# Altium PCB MU_MP_39_V1_ASMB.PcbDoc (part 4 of 15) (continued)
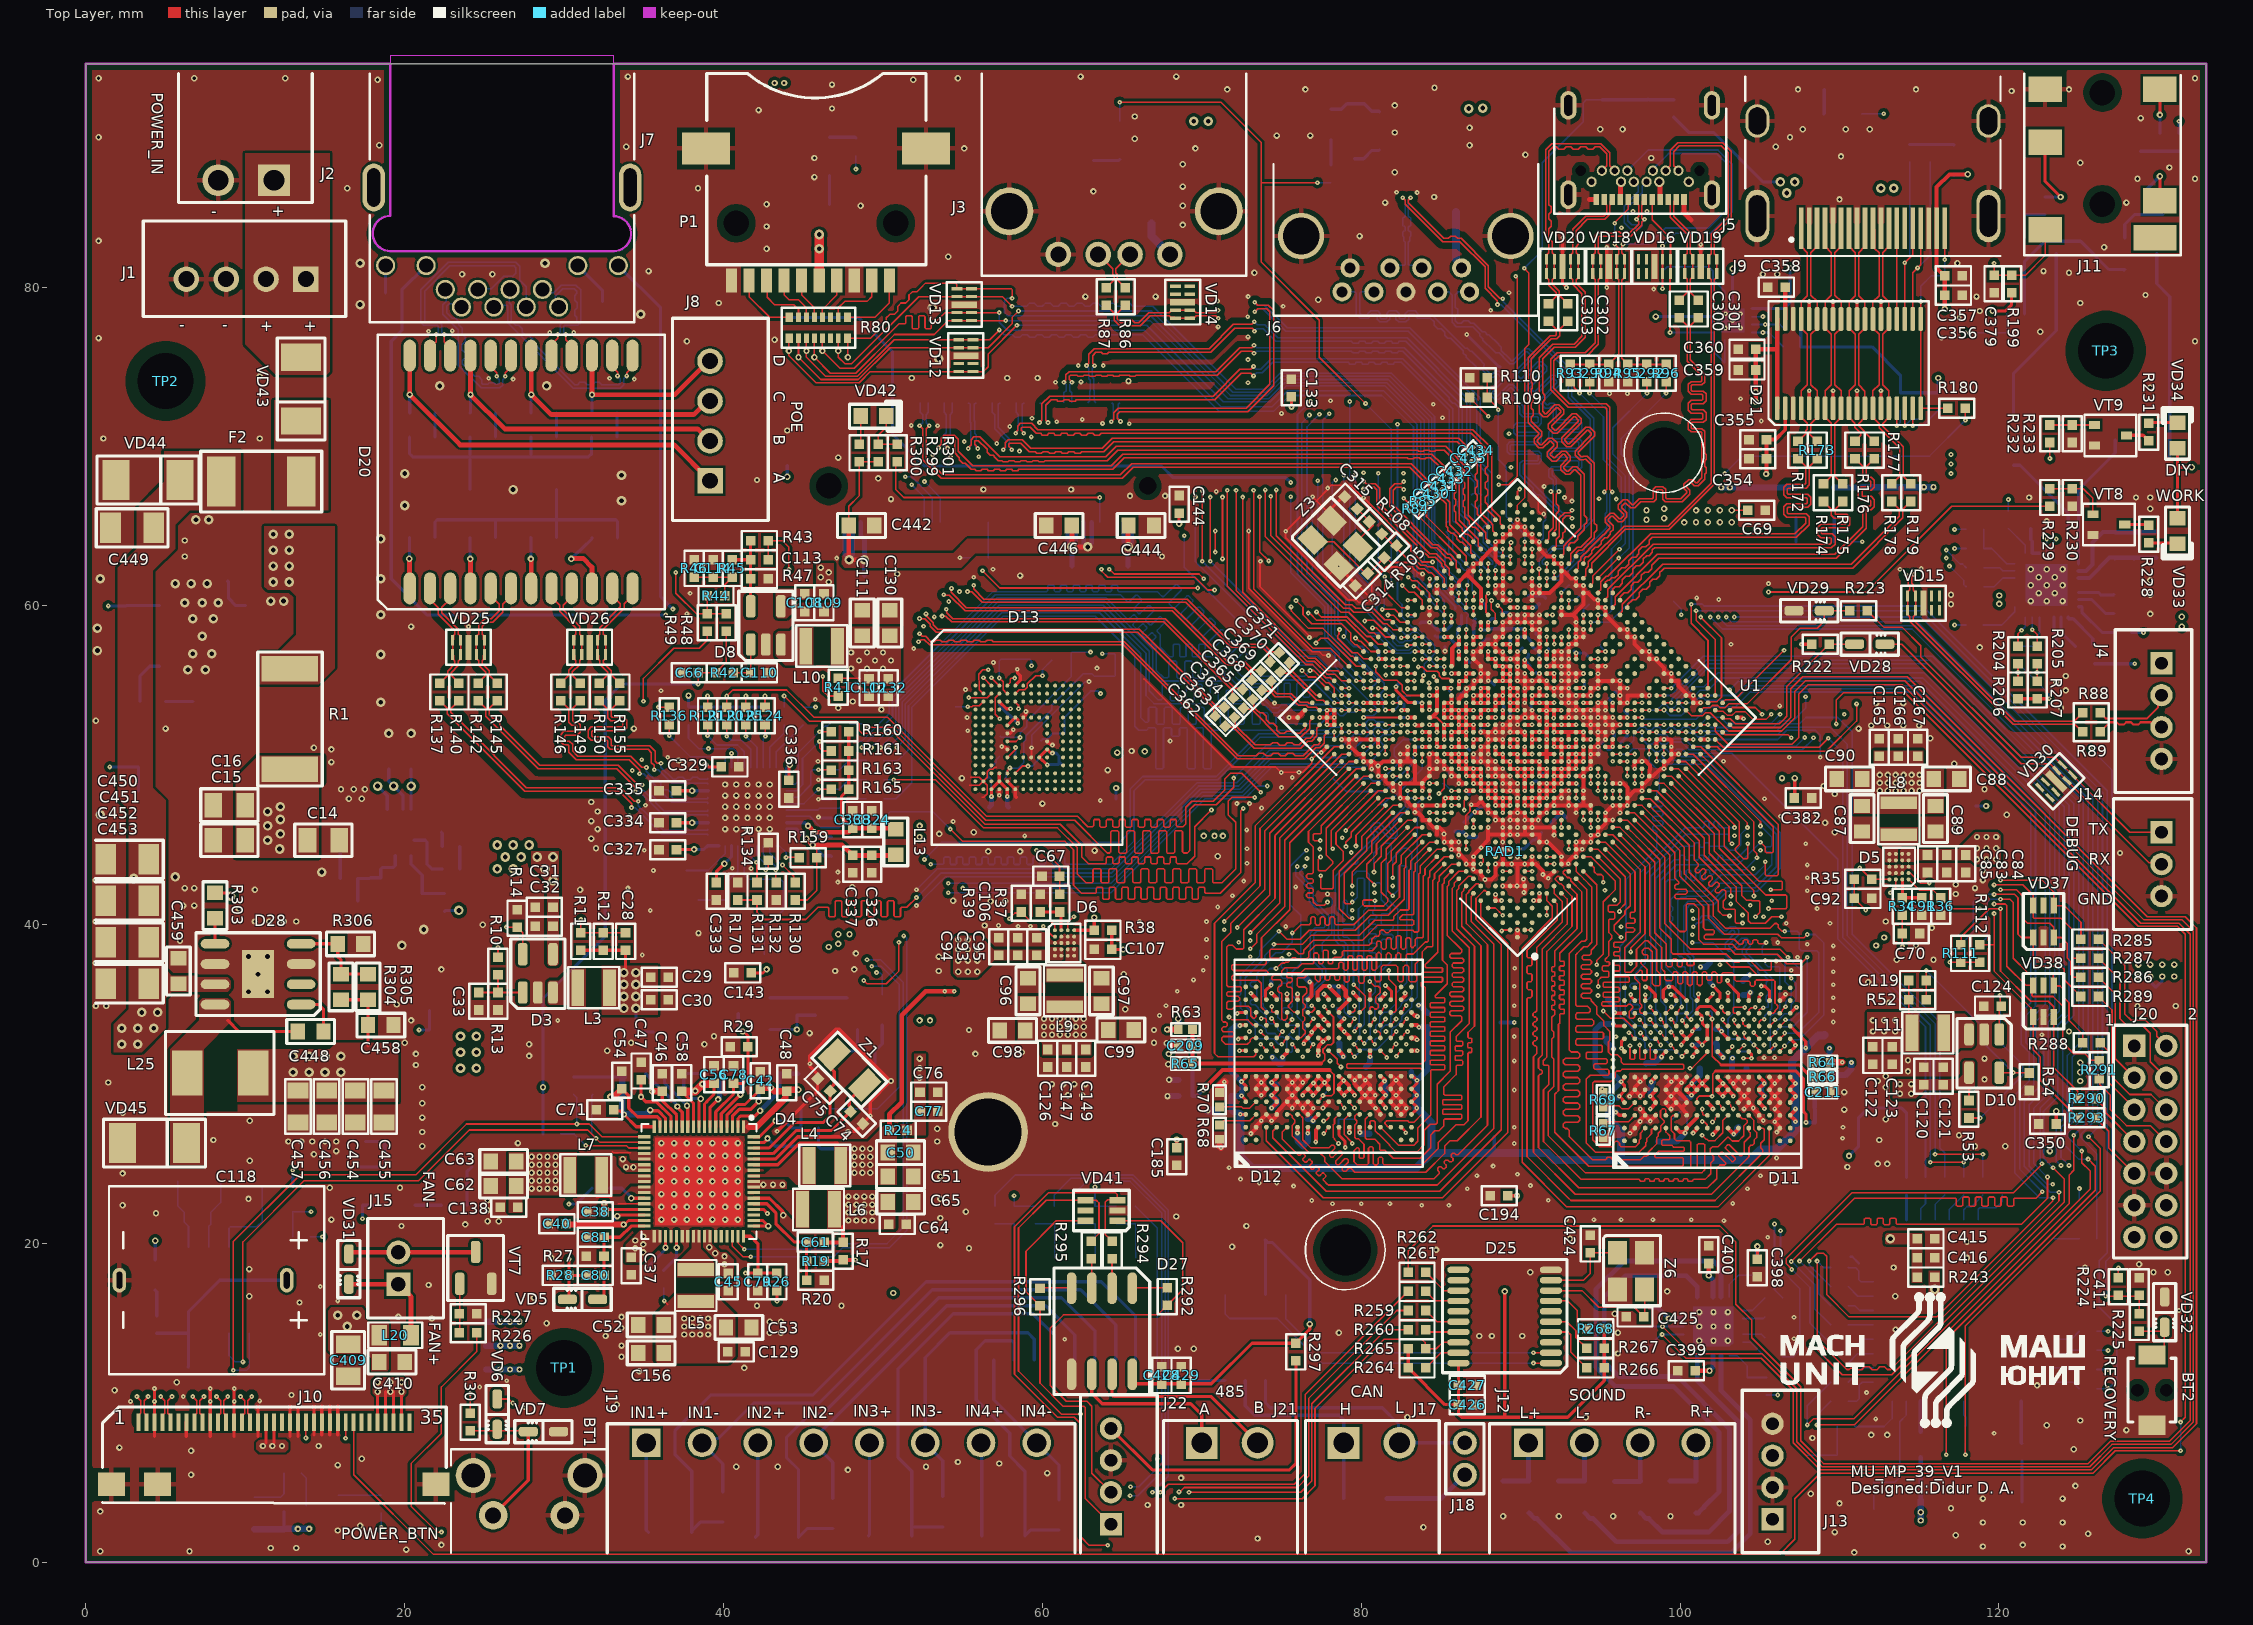
[diagram p0: Top Layer view]
## Nets (pads, with @x,y where several pads share a name; then routed paths per layer and width w, separated by ;. In a path a pad name is that pad's centre, name@x,y a point inside that pad or via, vN(x,y) a via of type N, cw(c..) or ccw(c..) an arc to the next point about the centre after c; other vN are vias at no path point) (continued)
DDR0_ATB0: U1.U6 | length 0.5
  Top Layer w0.1: v1(94.856,48.409) U1.U6@94.856,48.863
DDR0_ATB1: U1.U7 | length 0.5
  Top Layer w0.1: v1(94.396,48.868) U1.U7@94.396,49.323
DDR0_CKE0: D11.K3 U1.E1 | length 35.4
  Top Layer w0.1: v1(91.639,40.594) U1.E1@91.639,41.05 ; v1(102.038,27.625) 102.041,27.625 102.2,27.784 102.2,27.883 D11.K3@102.363,28.046
  Inner_Layer w0.13: v1(91.639,40.594) 91.652,40.581 91.854,40.581 91.975,40.46 91.975,39.864 92.037,39.802 92.037,39.614 91.937,39.514 91.937,38.038 91.926,38.027 91.926,38.019 91.375,37.468 91.375,31.593 92.026,30.942 92.072,30.896 92.133,30.834 92.133,30.694 91.771,30.332 91.771,30.192 91.864,30.098 92.004,30.098 92.589,30.683 92.729,30.683 92.822,30.59 92.822,30.45 92.237,29.865 92.237,29.725 92.331,29.631 92.471,29.631 93.055,30.216 93.195,30.216 93.289,30.123 93.289,29.983 92.704,29.398 92.704,29.258 92.797,29.165 92.937,29.165 93.522,29.75 93.662,29.75 93.755,29.656 93.755,29.516 93.171,28.931 93.171,28.791 93.264,28.698 93.404,28.698 93.989,29.283 94.129,29.283 94.222,29.19 94.222,29.05 93.637,28.465 93.637,28.325 93.731,28.231 93.871,28.231 94.233,28.594 94.373,28.594 94.419,28.548 94.514,28.453 94.97,28.453 95.591,27.832 96.556,27.832 96.658,27.934 96.658,28.699 96.734,28.775 96.988,28.775 97.064,28.699 97.064,27.426 97.166,27.324 98.558,27.324 98.66,27.426 98.66,28.137 98.762,28.239 98.965,28.239 99.066,28.137 99.066,27.426 99.242,27.25 100.275,27.25 100.475,27.45 100.85,27.45 101.075,27.225 101.542,27.225 101.91,27.593 102.005,27.593 v1(102.038,27.625)
DDR0_CKE1: D11.K4 U1.F5 | length 35.5
  Top Layer w0.1: U1.F5@90.26,43.348 90.717,43.348 v1(90.72,43.351) ; D11.K4@102.363,28.845 102.55,28.658 102.55,28.575 102.679,28.446 v1(102.688,28.446)
  Inner_Layer w0.13: v1(90.72,43.351) 90.714,43.345 90.714,42.027 90.486,41.799 90.486,41.138 90.714,40.91 90.714,40.227 91.077,39.865 91.077,38.394 91.066,38.383 91.066,38.375 90.515,37.824 90.515,28.459 91.599,27.375 94.4,27.375 95.6,26.175 98.775,26.175 98.998,26.175 99.074,26.099 99.074,25.86 99.123,25.81 99.354,25.81 99.404,25.86 99.404,26.226 99.453,26.275 99.684,26.275 99.734,26.226 99.734,25.86 99.783,25.81 100.014,25.81 100.064,25.86 100.064,26.226 100.113,26.275 100.344,26.275 100.394,26.226 100.394,25.805 100.443,25.755 100.674,25.755 100.724,25.805 100.724,26.226 100.773,26.275 101.004,26.275 101.054,26.226 101.054,25.805 101.103,25.755 101.334,25.755 101.384,25.805 101.384,26.099 101.46,26.175 101.525,26.175 101.849,26.175 102.5,26.826 102.5,27.355 102.5,27.528 102.576,27.604 102.951,27.604 103,27.653 103,27.884 102.951,27.934 102.576,27.934 102.5,28.01 102.5,28.075 102.5,28.258 v1(102.688,28.446)
DDR0_CLK0_N: D11.J2 R73.2 U1.J4 | length 35.5
  Top Layer w0.08: v1(91.639,44.27) 91.642,44.267 U1.J4@92.098,44.267 ; v1(101.396,27.659) 101.438,27.617 101.558,27.617 101.71,27.465 101.71,27.248 D11.J2@101.713,27.245
  Inner_Layer w0.09: v1(91.639,44.27) 91.639,44.213 91.708,44.145 91.708,44.038 91.589,43.919 91.589,43.543 91.857,43.275 92.547,43.275 92.554,43.268 92.6,43.222 92.6,42.05 92.6,41.661 92.547,41.609 92.005,41.609 91.83,41.433 91.83,41.044 92.005,40.869 92.815,40.869 92.858,40.825 92.858,40.622 92.815,40.579 92.495,40.579 92.32,40.403 92.32,40.014 92.495,39.839 92.822,39.839 92.865,39.795 92.865,39.592 92.822,39.549 92.483,39.549 92.308,39.373 92.308,38.984 92.483,38.809 92.822,38.809 92.865,38.765 92.865,38.562 92.822,38.519 92.422,38.519 92.247,38.343 92.247,37.954 92.422,37.779 92.822,37.779 92.865,37.735 92.865,37.532 92.822,37.489 92.005,37.489 91.83,37.313 91.83,36.924 92.005,36.749 92.822,36.749 92.865,36.705 92.865,36.502 92.822,36.459 92.005,36.459 91.83,36.283 91.83,35.894 92.005,35.719 92.676,35.719 92.719,35.675 92.719,35.472 92.676,35.429 92.005,35.429 91.83,35.253 91.83,34.864 92.005,34.689 92.547,34.689 92.6,34.636 92.6,34.525 92.6,34.3 91.875,33.575 91.875,32.025 93.906,29.994 95.319,29.994 95.739,29.575 99.55,29.575 99.95,29.175 99.95,28.4 100.4,27.95 101.341,27.95 101.394,27.897 101.394,27.661 v1(101.396,27.659)
DDR0_CLK0_P: D11.J3 R71.2 U1.H4 | length 35.5
  Top Layer w0.08: U1.H4@91.642,43.811 v1(92.099,43.811) ; v1(101.392,28.442) 101.4,28.434 101.4,28.228 101.43,28.198 101.43,28.095 101.48,28.045 D11.J3@101.713,28.046
  Inner_Layer w0.09: v1(92.099,43.811) 92.042,43.811 91.974,43.879 91.867,43.879 91.814,43.826 91.814,43.636 91.95,43.5 92.65,43.5 92.825,43.325 92.825,43.3 92.825,43.085 92.945,42.965 92.945,42.665 92.825,42.545 92.825,42.5 92.825,42.05 92.825,41.568 92.64,41.384 92.098,41.384 92.055,41.34 92.055,41.137 92.098,41.094 92.908,41.094 93.083,40.918 93.083,40.529 92.908,40.354 92.588,40.354 92.545,40.31 92.545,40.107 92.588,40.064 92.915,40.064 93.09,39.888 93.09,39.499 92.915,39.324 92.576,39.324 92.533,39.28 92.533,39.077 92.576,39.034 92.915,39.034 93.09,38.858 93.09,38.469 92.915,38.294 92.515,38.294 92.472,38.25 92.472,38.047 92.515,38.004 92.915,38.004 93.09,37.828 93.09,37.439 92.915,37.264 92.098,37.264 92.055,37.22 92.055,37.017 92.098,36.974 92.915,36.974 93.09,36.798 93.09,36.409 92.915,36.234 92.098,36.234 92.055,36.19 92.055,35.987 92.098,35.944 92.769,35.944 92.944,35.768 92.944,35.379 92.769,35.204 92.098,35.204 92.055,35.16 92.055,34.957 92.098,34.914 92.64,34.914 92.825,34.729 92.825,34.525 92.825,34.2 92.1,33.475 92.1,33.275 92.1,33.11 92.22,32.99 92.22,32.69 92.1,32.57 92.1,32.525 92.1,32.111 92.306,31.906 92.423,31.788 92.592,31.788 92.805,31.576 92.805,31.394 93.017,31.182 93.199,31.182 93.411,30.97 93.411,30.8 93.443,30.768 93.997,30.214 94.15,30.214 94.195,30.214 94.315,30.334 94.615,30.334 94.735,30.214 94.85,30.214 95.411,30.214 95.83,29.795 99.641,29.795 100.17,29.266 100.17,28.491 100.491,28.17 101.335,28.17 101.388,28.223 101.388,28.438 v1(101.392,28.442)
DDR0_CSN0: D11.L3 U1.M6 | length 35.4
  Top Layer w0.1: v1(92.558,46.108) U1.M6@92.558,46.565 ; v1(101.385,26.795) 101.63,26.55 101.674,26.55 101.764,26.461 102.195,26.461 102.687,26.953 102.687,27.72 D11.L3@103.013,28.046
  Inner_Layer w0.13: v1(92.558,46.108) 92.557,46.107 92.557,44.952 92.455,44.85 91.68,44.85 91.07,44.241 91.07,42.818 91.495,42.393 91.495,41.64 91.209,41.355 91.209,40.341 91.507,40.043 91.507,38.216 91.496,38.205 91.496,38.197 90.945,37.646 90.945,30.155 93.275,27.825 94.558,27.825 95.008,27.375 96.15,27.375 96.404,27.121 96.404,26.816 96.615,26.605 97.325,26.605 97.728,26.605 97.804,26.681 97.804,26.945 97.853,26.994 98.084,26.994 98.134,26.945 98.134,26.554 98.183,26.505 98.414,26.505 98.464,26.554 98.464,26.945 98.513,26.994 98.744,26.994 98.794,26.945 98.794,26.554 98.843,26.505 99.074,26.505 99.124,26.554 99.124,26.871 99.173,26.92 99.404,26.92 99.454,26.871 99.454,26.681 99.53,26.605 99.925,26.605 101.224,26.605 101.385,26.766 v1(101.385,26.795)
DDR0_CSN1: D11.L4 U1.B1 | length 35.5
  Top Layer w0.1: U1.B1@90.26,39.671 90.643,39.671 v1(90.647,39.675) ; D11.L4@103.013,28.845 103.016,28.845 103.175,28.687 103.175,28.604 103.329,28.45 v1@103.329,28.446
  Inner_Layer w0.13: v1(90.647,39.675) 90.647,38.572 90.636,38.561 90.636,38.553 90.05,37.967 90.05,28.125 91.25,26.925 93.874,26.925 95.374,25.425 95.7,25.425 95.86,25.425 95.959,25.326 95.959,25.055 96.058,24.956 96.19,24.956 96.289,25.055 96.289,25.381 96.388,25.48 96.52,25.48 96.619,25.381 96.619,25.055 96.718,24.956 96.85,24.956 96.949,25.055 96.949,25.381 97.048,25.48 97.18,25.48 97.279,25.381 97.279,25.055 97.378,24.956 97.51,24.956 97.609,25.055 97.609,25.381 97.708,25.48 97.84,25.48 97.939,25.381 97.939,25.055 98.038,24.956 98.17,24.956 98.269,25.055 98.269,25.381 98.368,25.48 98.5,25.48 98.599,25.381 98.599,25.055 98.698,24.956 98.83,24.956 98.929,25.055 98.929,25.381 99.028,25.48 99.16,25.48 99.259,25.381 99.259,25.055 99.358,24.956 99.49,24.956 99.589,25.055 99.589,25.381 99.688,25.48 99.82,25.48 99.919,25.381 99.919,25.055 100.018,24.956 100.15,24.956 100.249,25.055 100.249,25.326 100.348,25.425 100.413,25.425 102.37,25.425 103.68,26.735 103.68,26.996 103.6,27.076 103.6,28.183 v1(103.337,28.446)
DDR0_D0: D11.P9 U1.AB2 | length 23.8
  Top Layer w0.1: U1.AB2@98.992,49.323 99.452,49.323 102.762,46.013 102.762,44.923 104.946,42.738 106.36,42.738 106.424,42.674 106.424,42.258 106.36,42.193 v1(105.689,42.193) ; v1(104.63,33.231) 104.63,33.22 104.963,32.887 D11.P9@104.963,32.845
  Inner_Layer w0.13: v1(104.63,33.231) 105.066,33.666 105.442,33.666 105.637,33.861 105.637,34.165 105.832,34.36 105.86,34.36 105.975,34.476 105.975,37.231 105.677,37.529 105.677,37.898 105.675,37.9 105.675,38.372 105.728,38.425 105.728,39.383 105.675,39.436 105.675,40.529 106.158,41.011 106.158,42.402 106.01,42.55 105.7,42.55 105.612,42.462 105.612,42.316 105.689,42.239 v1(105.689,42.193)
DDR0_D1: D11.N9 U1.AB1 | length 23.6
  Top Layer w0.1: U1.AB1@99.452,48.863 102.452,45.864 102.452,44.794 105.382,41.863 106.635,41.863 106.699,41.799 106.699,41.076 106.635,41.011 v1(105.548,41.011) ; v1(104.025,33.217) 104.024,33.216 104.024,32.947 104.126,32.845 D11.N9@104.313,32.845
  Inner_Layer w0.13: v1(104.025,33.217) 103.995,33.217 103.74,33.472 103.74,33.615 103.821,33.696 104.176,33.696 104.325,33.845 104.325,34.618 104.385,34.678 104.385,35.175 104.735,35.525 104.735,35.931 104.7,35.966 104.7,38.279 104.329,38.65 104.329,40.198 104.278,40.249 104.278,40.757 104.43,40.91 104.938,40.91 105.04,41.011 105.04,41.193 105.163,41.316 105.425,41.316 105.548,41.193 v1(105.548,41.011)
DDR0_D2: D11.N10 U1.AA2 | length 23.6
  Top Layer w0.1: U1.AA2@98.533,48.863 98.995,48.863 102.142,45.717 102.142,44.621 104.634,42.129 v1(104.634,41.804) ; v1(103.969,34.05) 103.95,34.031 103.95,33.77 104.075,33.645 D11.N10@104.313,33.645
  Inner_Layer w0.13: v1(103.969,34.05) 103.982,34.063 103.982,34.306 103.7,34.588 103.7,36.792 103.55,36.942 103.55,37.971 103.35,38.171 103.35,40.134 103.567,40.351 103.567,41.214 103.656,41.303 103.935,41.303 104.024,41.392 104.024,41.518 103.935,41.608 103.631,41.608 103.555,41.684 103.555,41.836 103.631,41.912 103.935,41.912 104.024,42.002 104.024,42.128 103.935,42.217 103.682,42.217 103.555,42.344 103.555,42.956 103.703,43.104 104.421,43.104 104.634,42.891 v1(104.634,41.804)
DDR0_D3: D11.N11 U1.AA1 | length 23.6
  Top Layer w0.1: U1.AA1@98.992,48.404 99.317,48.079 99.45,47.947 101.832,45.565 101.832,44.492 103.872,42.452 103.872,41.828 104.169,41.53 104.484,41.53 104.509,41.504 104.758,41.504 104.768,41.514 104.935,41.514 104.999,41.45 104.999,40.767 v1(104.735,40.503) ; D11.N11@104.313,34.445 104.324,34.456 104.324,34.659 104.465,34.8 104.694,34.8 v1(104.715,34.821)
  Inner_Layer w0.13: v1(104.715,34.821) 104.715,34.476 104.791,34.4 105.399,34.4 105.634,34.635 105.634,34.814 105.241,35.207 105.241,35.307 105.451,35.517 105.451,35.97 105.624,36.143 105.624,36.471 105.554,36.541 105.142,36.541 105.03,36.652 105.03,36.856 105.106,36.932 105.516,36.932 105.605,37.022 105.605,37.135 105.503,37.237 105.106,37.237 105.03,37.313 105.03,38.055 105.142,38.166 105.243,38.166 105.324,38.247 105.324,38.391 105.04,38.674 104.771,38.674 104.659,38.786 104.659,39.106 104.754,39.202 105.269,39.202 105.345,39.278 105.345,39.386 105.243,39.487 104.748,39.487 104.647,39.589 104.647,39.754 104.719,39.826 105.243,39.826 105.345,39.928 105.345,40.071 105.243,40.173 104.737,40.173 104.647,40.263 104.647,40.415 v1(104.735,40.503)
DDR0_D4: D11.M8 U1.Y2 | length 23.8
  Top Layer w0.1: U1.Y2@98.073,48.404 98.538,48.404 101.522,45.42 101.522,44.364 103.516,42.37 103.516,41.494 104.278,40.732 104.278,40.249 104.43,40.097 105.345,40.097 105.751,40.503 v1(106.361,40.503) ; D11.M8@103.663,32.046 103.663,32.094 104.013,32.443 v1(104.013,32.445)
  Inner_Layer w0.13: v1(104.013,32.445) 104.013,32.491 104.098,32.576 104.098,32.579 104.38,32.861 105.386,32.861 105.624,33.099 105.624,33.366 105.929,33.671 106.132,33.671 106.296,33.834 106.296,34.329 106.305,34.339 106.305,35.776 106.447,35.918 106.447,39.008 106.229,39.226 106.229,40.342 106.361,40.474 v1(106.361,40.503)
DDR0_D5: D11.M9 U1.Y1 | length 23.6
  Top Layer w0.1: U1.Y1@98.533,47.944 101.212,45.265 101.212,44.236 103.175,42.272 103.175,41.821 v1(103.192,41.804) ; v1(103.412,33.213) 103.419,33.213 103.624,33.007 103.624,32.884 D11.M9@103.663,32.845
  Inner_Layer w0.13: v1@103.2,41.813 103.2,43.365 103.039,43.525 102.301,43.525 102.225,43.449 102.225,38.035 102.398,37.862 102.703,37.862 102.85,37.715 102.85,37.297 102.398,36.846 102.398,36.644 102.488,36.555 102.566,36.555 102.655,36.465 102.655,36.339 102.566,36.25 102.488,36.25 102.398,36.161 102.398,36.034 102.488,35.945 102.566,35.945 102.655,35.856 102.655,35.729 102.566,35.64 102.488,35.64 102.398,35.551 102.398,35.351 102.5,35.249 102.844,35.249 102.92,35.173 102.92,34.74 102.989,34.671 102.989,33.963 103.089,33.863 103.089,33.501 103.008,33.42 103.008,33.277 103.143,33.142 103.295,33.142 103.366,33.213 v1(103.412,33.213)
DDR0_D6: D11.M10 U1.W1 | length 23.7
  Top Layer w0.1: U1.W1@98.073,47.485 100.575,44.983 100.575,43.3 102.404,41.471 102.404,40.871 102.692,40.583 103.081,40.583 v1(103.11,40.554) ; v1(103.397,34.025) 103.403,34.019 103.403,33.803 103.522,33.684 103.624,33.684 D11.M10@103.663,33.645
  Inner_Layer w0.13: v1(103.11,40.554) 103.11,40.93 102.862,41.178 102.862,42.849 102.785,42.925 102.631,42.925 102.555,42.849 102.555,40.185 102.631,40.109 102.919,40.109 103.008,40.02 103.008,39.894 102.919,39.804 102.631,39.804 102.555,39.728 102.555,39.576 102.631,39.499 102.795,39.499 102.871,39.423 102.871,39.271 102.795,39.195 102.631,39.195 102.555,39.119 102.555,38.954 102.631,38.878 102.906,38.878 103.008,38.776 103.008,38.674 102.906,38.573 102.631,38.573 102.555,38.497 102.555,38.324 102.688,38.192 102.84,38.192 103.22,37.812 103.22,36.805 103.325,36.7 103.325,34.496 103.397,34.424 v1(103.397,34.025)
DDR0_D7: D11.M11 U1.W2 | length 23.5
  Top Layer w0.1: U1.W2@97.614,47.944 97.656,47.902 97.786,47.902 97.788,47.9 98.125,47.9 100.902,45.123 100.902,44.06 100.903,44.058 101.15,43.811 101.15,43.683 100.947,43.48 100.947,43.352 101.032,43.268 101.159,43.268 101.394,43.502 101.521,43.502 101.606,43.417 101.606,43.29 101.371,43.055 101.371,42.928 101.456,42.843 101.583,42.843 101.818,43.078 101.945,43.078 102.03,42.993 102.03,42.866 101.795,42.631 101.795,42.504 101.88,42.419 102.007,42.419 102.242,42.654 102.369,42.654 102.454,42.569 102.454,42.442 102.22,42.207 102.22,42.08 102.304,41.995 102.432,41.995 102.635,42.199 102.763,42.199 102.862,42.099 102.875,42.086 102.875,41.65 102.704,41.479 102.704,41.096 102.825,40.975 103.416,40.975 103.475,40.916 103.475,40.155 103.534,40.097 103.919,40.097 v1(103.922,40.1) ; D11.M11@103.663,34.445 103.402,34.445 103.33,34.517 103.33,34.766 103.388,34.825 104.044,34.825 v1(104.055,34.814)
  Inner_Layer w0.13: v1(103.922,40.1) 103.922,39.822 103.715,39.615 103.715,39.507 103.791,39.431 103.899,39.431 103.975,39.355 103.975,39.202 103.899,39.126 103.801,39.126 103.725,39.05 103.725,38.898 103.801,38.821 103.899,38.821 103.975,38.745 103.975,38.617 103.8,38.442 103.8,38.313 103.876,38.237 104.269,38.237 104.345,38.16 104.345,37.978 104.269,37.902 103.976,37.902 103.9,37.826 103.9,37.655 103.976,37.579 104.274,37.579 104.35,37.503 104.35,37.276 104.274,37.2 104.126,37.2 104.05,37.124 104.05,36.675 104.35,36.375 104.35,36.147 104.055,35.852 v1(104.055,34.814)
DDR0_D8: D11.F11 U1.AF2 | length 27
  Top Layer w0.1: D11.F11@99.77,34.445 99.925,34.6 99.925,34.658 v1(100.113,34.845) ; U1.AF2@100.831,51.162 101.294,51.162 106.149,46.306 106.149,43.15 106.085,43.085 105.409,43.085 105.345,43.15 v1(105.345,43.958)
  Bottom Layer w0.1: v1(100.113,34.845) 100.075,34.884 100.075,34.991 100.062,35.004 100.062,35.178 100.03,35.21 100.03,36.877 99.401,37.506 99.401,40.158 99.554,40.31 99.554,40.463 99.401,40.615 99.401,40.768 99.554,40.92 99.554,41.072 99.401,41.225 99.401,41.57 99.931,42.1 101.55,42.1 102.59,43.14 104.715,43.14 105.327,43.752 105.327,43.939 v1(105.345,43.958)
DDR0_D9: D11.F10 U1.AE2 | length 27
  Top Layer w0.1: v1(99.438,34.065) 99.441,34.065 99.6,33.907 99.6,33.808 D11.F10@99.763,33.645 ; U1.AE2@100.371,50.702 100.824,50.702 105.05,46.476 105.05,46.203 v1(105.04,46.193)
  Bottom Layer w0.1: v1(99.438,34.065) 99.639,33.864 99.722,33.864 99.808,33.95 99.808,34.331 99.909,34.433 100.208,34.433 100.413,34.638 100.413,35.251 100.33,35.334 100.33,37.307 100.271,37.366 99.984,37.366 99.854,37.496 99.854,37.579 99.946,37.671 100.254,37.671 100.313,37.729 100.313,37.812 100.12,38.005 99.96,38.005 99.858,38.107 99.858,41.519 100.062,41.722 100.362,41.722 100.43,41.79 101.679,41.79 101.689,41.8 101.699,41.8 102.514,42.614 104.611,42.614 104.836,42.84 104.839,42.84 105.627,43.627 105.627,43.63 105.751,43.754 105.751,44.125 105.751,44.495 105.661,44.585 105.445,44.585 105.355,44.675 105.355,44.795 105.445,44.885 105.661,44.885 105.751,44.975 105.751,45.325 105.751,45.499 105.057,46.193 v1(105.04,46.193)
DDR0_D10: D11.F9 U1.AF1 | length 26.9
  Top Layer w0.1: v1@99.441,33.263 99.6,33.105 99.6,33.008 D11.F9@99.763,32.845 ; U1.AF1@101.291,50.702 101.748,50.245 105.446,46.546 105.839,46.153 105.839,44.584 105.781,44.525 105.404,44.525 105.345,44.584 105.345,44.88 v1@105.048,45.177
  Bottom Layer w0.1: v1(99.44,33.263) 99.45,33.273 99.45,33.524 99.122,33.852 99.122,34.89 98.786,35.225 98.786,42.791 99.755,43.76 103.635,43.76 105.04,45.165 v1(105.04,45.177)
DDR0_D11: D11.F8 U1.AD2 | length 27
  Top Layer w0.1: v1(99.419,32.45) 99.6,32.269 99.6,32.204 99.754,32.05 D11.F8@99.754,32.046 ; U1.AD2@99.912,50.242 100.367,50.242 104.227,46.381 v1(104.227,46.091)
  Bottom Layer w0.1: v1(99.419,32.45) 99.406,32.45 99.096,32.76 99.096,33.429 98.851,33.674 98.69,33.674 98.461,33.903 98.461,34.208 98.233,34.436 97.953,34.436 97.776,34.614 97.776,35.087 98.166,35.478 98.166,43.048 100.032,44.914 100.784,44.914 100.834,44.914 100.924,45.004 100.924,45.059 101.014,45.149 101.134,45.149 101.224,45.059 101.224,44.94 101.314,44.85 101.434,44.85 101.524,44.94 101.524,45.059 101.614,45.149 101.734,45.149 101.824,45.059 101.824,45.004 101.914,44.914 102.055,44.914 102.861,44.914 103.106,44.669 103.493,44.669 103.821,44.996 103.821,45.685 v1(104.227,46.091)
DDR0_D12: D11.E11 U1.AE1 | length 27
  Top Layer w0.1: D11.E11@99.113,34.445 99.113,34.463 99.461,34.811 v1(99.461,34.844) ; U1.AE1@100.831,50.242 104.634,46.44 104.634,44.644 104.824,44.453 v1(104.824,44.2)
  Bottom Layer w0.1: v1(99.461,34.844) 99.499,34.882 99.622,34.882 99.73,34.99 99.73,36.72 99.096,37.354 99.096,42.663 99.259,42.825 99.654,42.825 99.718,42.889 99.718,43.285 99.725,43.291 99.858,43.424 99.985,43.424 100.075,43.334 100.075,42.858 100.165,42.768 100.285,42.768 100.375,42.858 100.375,43.37 100.465,43.46 100.585,43.46 100.675,43.37 100.675,42.858 100.765,42.768 100.885,42.768 100.975,42.858 100.975,43.37 101.065,43.46 101.185,43.46 101.275,43.37 101.275,42.858 101.365,42.768 101.485,42.768 101.575,42.858 101.575,43.37 101.665,43.46 101.785,43.46 101.875,43.37 101.875,43.239 101.965,43.149 102.085,43.149 102.175,43.239 102.175,43.36 102.265,43.45 102.6,43.45 104.074,43.45 v1(104.824,44.2)
DDR0_D13: D11.E10 U1.AD1 | length 26.9
  Top Layer w0.1: v1(98.788,34.065) 98.791,34.065 98.95,33.907 98.95,33.808 D11.E10@99.113,33.645 ; U1.AD1@100.371,49.783 103.724,46.429 103.724,45.05 103.474,44.8 103.474,44.648 103.984,44.138 104.185,44.138 104.249,44.203 v1(104.249,45.075)
  Bottom Layer w0.1: v1(98.788,34.065) 98.772,34.081 98.772,34.403 98.476,34.699 98.476,42.92 99.626,44.07 99.849,44.07 99.899,44.07 99.989,44.16 99.989,44.277 100.079,44.367 100.199,44.367 100.289,44.277 100.289,44.15 100.379,44.06 100.499,44.06 100.589,44.15 100.589,44.277 100.679,44.367 100.799,44.367 100.889,44.277 100.889,44.15 100.979,44.06 101.099,44.06 101.189,44.15 101.189,44.277 101.279,44.367 101.399,44.367 101.489,44.277 101.489,44.15 101.579,44.06 101.699,44.06 101.789,44.15 101.789,44.277 101.879,44.367 101.999,44.367 102.089,44.277 102.089,44.15 102.179,44.06 102.299,44.06 102.389,44.15 102.389,44.277 102.479,44.367 102.599,44.367 102.689,44.277 102.689,44.16 102.779,44.07 103.375,44.07 103.495,44.07 104.249,44.824 v1(104.249,45.075)
DDR0_D14: D11.E9 U1.AC1 | length 26.9
  Top Layer w0.1: v1(98.763,33.246) 98.925,33.084 98.925,33.025 D11.E9@99.105,32.845 ; U1.AC1@99.912,49.323 100.369,48.866 103.072,46.163 103.072,45.253 103.25,45.075 v1(103.262,45.075)
  Bottom Layer w0.1: v1(98.763,33.246) 98.725,33.284 98.616,33.284 98.204,33.696 97.957,33.696 97.776,33.877 97.776,34.182 97.572,34.385 97.064,34.385 96.963,34.487 96.963,34.589 97.064,34.69 97.369,34.69 97.471,34.792 97.471,34.893 97.369,34.995 96.963,34.995 96.861,35.097 96.861,35.198 96.963,35.3 97.369,35.3 97.471,35.401 97.471,35.909 97.369,36.011 96.963,36.011 96.861,36.113 96.861,36.214 96.963,36.316 97.318,36.316 97.42,36.417 97.42,36.519 97.217,36.722 97.217,36.976 97.825,37.584 97.825,43.145 100.355,45.675 102.974,45.675 103.109,45.54 103.109,45.235 103.262,45.082 v1(103.262,45.075)
DDR0_D15: D11.D9 U1.AC2 | length 26.9
  Top Layer w0.1: D11.D9@98.463,32.845 98.625,32.683 98.625,32.622 v1(98.792,32.455) ; U1.AC2@99.452,49.783 99.757,49.783 99.909,49.783 103.414,46.277 v1(103.414,46.091)
  Bottom Layer w0.1: v1(98.792,32.455) 98.451,32.796 98.149,32.796 97.852,33.094 97.852,33.354 97.531,33.674 97.271,33.674 96.556,34.389 96.556,38.522 97.516,39.482 97.516,43.275 100.333,46.091 101.375,46.091 101.426,46.091 101.516,46.181 101.516,46.412 101.606,46.502 101.726,46.502 101.816,46.412 101.816,46.159 101.906,46.069 102.026,46.069 102.116,46.159 102.116,46.412 102.206,46.502 102.326,46.502 102.416,46.412 102.416,46.181 102.506,46.091 103.025,46.091 v1(103.414,46.091)
DDR0_D16: D11.T8 U1.V1 | length 24.6
  Top Layer w0.1: U1.V1@97.614,47.025 99.972,44.667 99.972,43.143 99.975,43.14 99.975,43.051 101.784,41.243 101.784,40.419 102.796,39.406 106.137,39.406 106.361,39.182 107.783,39.182 v1(107.986,39.386) ; D11.T8@106.263,32.046 106.263,32.063 106.555,32.355 v1(106.555,32.395)
  Bottom Layer w0.1: v1(106.555,32.395) 106.584,32.395 106.97,32.782 107.456,32.782 109.024,34.35 109.024,38.851 108.489,39.386 v1(107.986,39.386)
DDR0_D17: D11.T9 U1.V2 | length 24.6
  Top Layer w0.1: U1.V2@97.154,47.485 97.615,47.485 100.275,44.825 100.275,43.176 102.094,41.357 102.094,40.547 102.854,39.787 105.644,39.787 105.933,40.076 106.077,40.076 106.158,39.995 106.158,39.824 106.393,39.589 v1(106.564,39.589) ; D11.T9@106.263,32.845 106.53,33.112 106.53,33.169 v1(106.568,33.208)
  Bottom Layer w0.1: v1(106.564,39.589) 107.361,39.589 107.474,39.475 107.474,38.5 107.605,38.37 108.58,38.37 108.699,38.25 108.699,34.5 107.387,33.188 106.587,33.188 v1(106.568,33.208)
DDR0_D18: D11.T10 U1.U1 | length 24.6
  Top Layer w0.1: U1.U1@97.154,46.565 99.352,44.367 99.352,40.211 99.988,39.575 100.299,39.575 100.399,39.675 100.399,41.246 100.464,41.311 100.867,41.311 101.164,41.014 101.164,39.09 101.467,38.786 103.27,38.786 103.591,38.466 106.264,38.466 v1(106.767,37.963) ; D11.T10@106.263,33.645 106.285,33.645 106.572,33.933 106.572,34.006 v1(106.611,34.044)
  Bottom Layer w0.1: v1(106.611,34.044) 106.63,34.025 106.995,34.025 107.676,34.707 107.676,37.054 v1(106.767,37.963)
DDR0_D19: D11.T11 U1.U2 | length 24.5
  Top Layer w0.1: U1.U2@96.694,47.025 97.15,47.025 99.662,44.513 99.662,42.935 99.757,42.84 99.762,42.84 99.921,42.681 99.921,42.598 99.858,42.535 99.757,42.535 99.662,42.44 99.662,42.309 99.745,42.226 100.354,42.226 100.443,42.136 100.443,42.01 100.354,41.921 99.745,41.921 99.662,41.838 99.662,41.716 99.757,41.621 100.981,41.621 101.474,41.129 101.474,39.803 101.586,39.691 102.069,39.691 102.158,39.602 102.158,39.475 102.069,39.386 101.611,39.386 101.521,39.297 101.521,39.17 101.595,39.096 103.399,39.096 103.719,38.776 103.869,38.776 103.958,38.865 103.958,38.991 104.037,39.07 104.184,39.07 104.263,38.992 104.263,38.865 104.352,38.776 104.479,38.776 104.568,38.865 104.568,38.991 104.647,39.07 104.794,39.07 104.873,38.992 104.873,38.891 104.962,38.801 105.319,38.801 v1(105.396,38.878) ; D11.T11@106.263,34.445 106.268,34.445 106.424,34.601 106.424,34.669 106.606,34.85 v1(106.62,34.85)
  Bottom Layer w0.1: v1(105.396,38.878) 105.149,38.631 105.149,38.189 105.214,38.125 106.097,38.125 106.584,37.638 106.584,36.419 106.97,36.033 106.97,35.499 106.625,35.154 106.625,34.855 v1(106.62,34.85)
DDR0_D20: D11.R8 U1.T1 | length 24.6
  Top Layer w0.1: U1.T1@96.694,46.106 97.265,45.535 98.732,44.068 98.732,39.801 99.452,39.081 99.452,38.268 99.554,38.166 102.906,38.166 103.414,37.658 103.719,37.658 103.886,37.825 104.324,37.825 104.999,37.15 105.661,37.15 105.726,37.215 105.726,37.696 105.661,37.76 v1(105.347,37.76) ; D11.R8@105.613,32.046 105.613,32.1 105.691,32.178 105.691,32.191 105.95,32.451 v1(105.95,32.453)
  Bottom Layer w0.1: v1(105.347,37.76) 105.345,37.759 105.345,37.53 105.5,37.375 106.19,37.375 106.254,37.311 106.254,34.554 106.107,34.407 105.882,34.407 105.65,34.175 105.65,32.265 105.753,32.162 105.871,32.162 105.946,32.236 105.946,32.449 v1(105.95,32.453)
DDR0_D21: D11.R9 U1.T2 | length 24.6
  Top Layer w0.1: U1.T2@96.235,46.565 96.687,46.565 99.042,44.211 99.042,40.083 100.648,38.476 103.142,38.476 103.462,38.156 106.092,38.156 106.691,37.557 107.58,37.557 v1(107.986,37.963) ; D11.R9@105.613,32.845 105.634,32.845 105.924,33.136 105.924,33.207 v1(105.963,33.245)
  Bottom Layer w0.1: v1(105.963,33.245) 105.963,33.263 106.294,33.594 107.072,33.594 107.986,34.509 v1(107.986,37.963)
DDR0_D22: D11.R10 U1.R2 | length 24.6
  Top Layer w0.1: U1.R2@95.775,46.106 96.241,46.106 98.422,43.925 98.422,39.502 99.147,38.776 99.147,37.455 99.249,37.354 99.432,37.354 99.521,37.443 99.521,37.772 99.61,37.862 99.737,37.862 99.826,37.772 99.826,37.443 99.915,37.354 100.041,37.354 100.131,37.443 100.131,37.772 100.22,37.862 100.346,37.862 100.435,37.772 100.435,37.507 100.5,37.443 100.81,37.443 100.874,37.507 100.874,37.76 100.954,37.839 102.726,37.839 103.216,37.348 104.334,37.348 104.842,36.84 106.772,36.84 v1(106.97,36.642) ; D11.R10@105.613,33.645 105.625,33.645 105.924,33.945 105.924,34.007 v1(105.962,34.045)
  Bottom Layer w0.1: v1(105.962,34.045) 105.964,34.047 106.185,34.047 106.545,34.407 106.767,34.407 106.97,34.61 106.97,35.02 107.275,35.325 107.275,36.338 v1(106.97,36.642)
DDR0_D23: D11.R11 U1.R1 | length 27.3
  Top Layer w0.1: U1.R1@96.235,45.646 96.692,45.189 98.112,43.769 98.112,39.304 98.842,38.573 98.842,37.252 99.046,37.049 99.046,36.592 99.147,36.491 99.465,36.491 99.554,36.58 99.554,36.96 99.643,37.049 99.77,37.049 99.859,36.959 99.859,36.377 99.948,36.287 100.075,36.287 100.164,36.377 100.164,36.96 100.253,37.049 100.379,37.049 100.469,36.959 100.469,36.275 100.479,36.265 100.558,36.186 100.684,36.186 100.763,36.265 100.773,36.275 100.773,36.96 100.863,37.049 100.989,37.049 101.078,36.959 101.078,36.275 101.088,36.265 101.167,36.186 101.294,36.186 101.373,36.265 101.383,36.275 101.383,36.96 101.472,37.049 101.598,37.049 101.688,36.959 101.688,36.584 101.746,36.525 101.934,36.525 101.993,36.584 101.993,36.96 102.082,37.049 102.195,37.049 102.325,36.919 102.325,36.417 102.384,36.359 102.521,36.359 102.602,36.439 102.602,36.896 102.703,36.998 103.262,36.998 103.414,36.846 103.414,36.566 103.516,36.465 104.311,36.465 104.4,36.375 104.4,36.224 104.489,36.134 104.616,36.134 104.705,36.224 104.705,36.439 104.796,36.53 105.863,36.53 105.954,36.439 105.954,35.093 106.124,34.924 106.124,34.78 105.954,34.61 105.954,34.547 105.853,34.445 D11.R11@105.613,34.445
DDR0_D24: D11.C11 U1.P1 | length 25.5
  Top Layer w0.1: U1.P1@95.775,45.186 97.492,43.47 97.492,39.542 96.525,38.575 96.525,37.084 96.584,37.025 96.9,37.025 97.268,37.393 97.268,38.468 97.799,39 97.975,39 98.542,38.433 98.542,37.128 98.746,36.925 98.746,36.234 98.687,36.175 98.395,36.175 98.25,36.32 98.25,38.3 98.025,38.525 97.775,38.525 97.625,38.375 97.625,38.225 97.725,38.125 97.916,38.125 97.975,38.066 97.975,37.875 97.9,37.8 97.609,37.8 97.55,37.741 97.55,37.575 97.925,37.2 97.925,36.559 97.866,36.5 97.684,36.5 97.625,36.559 97.625,37.075 97.566,37.134 97.484,37.134 97.15,36.8 97.15,36.637 97.471,36.316 97.471,35.097 97.602,34.965 97.602,34.822 97.471,34.69 97.471,34.547 97.572,34.445 D11.C11@97.813,34.445